# Altium PCB A540R260_Arm600Prototype.PcbDoc (part 1 of 2) (continued)
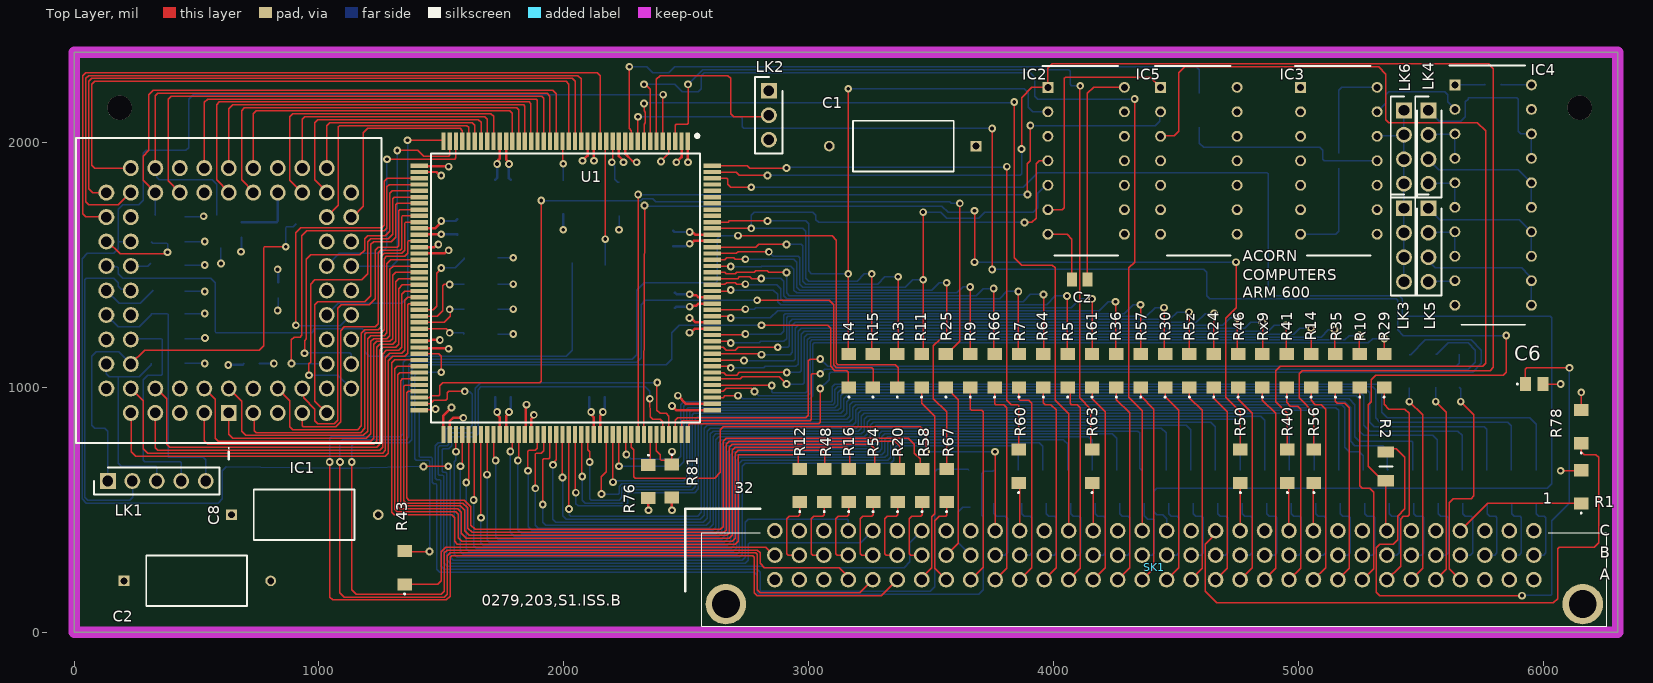
[diagram p0: Top Layer view]
## Footprints (in the part's own frame and the unit in brackets; to place one, negate y for a bottom-side part, rotate by r counter-clockwise, add the part's x,y. Pads: shape width x height; smd on the part's side, far side on the other; paste and mask are expansions set on the pad) (continued)
  silkscreen extent -15.83,-28.53 15.83,3.7, body extent -15.83,-28.53 15.83,3.13, height 8
QFP65P3120X3120X385-160N [mm]
  rect 1.8x0.45 smd: 1(-15.2,12.675) 2(-15.2,12.025) 3(-15.2,11.375) 4(-15.2,10.725) 5(-15.2,10.075) 6(-15.2,9.425) 7(-15.2,8.775) 8(-15.2,8.125) 9(-15.2,7.475) 10(-15.2,6.825) 11(-15.2,6.175) 12(-15.2,5.525) 13(-15.2,4.875) 14(-15.2,4.225) 15(-15.2,3.575) 16(-15.2,2.925) 17(-15.2,2.275) 18(-15.2,1.625) 19(-15.2,0.975) 20(-15.2,0.325) 21(-15.2,-0.325) 22(-15.2,-0.975) 23(-15.2,-1.625) 24(-15.2,-2.275) 25(-15.2,-2.925) 26(-15.2,-3.575) 27(-15.2,-4.225) 28(-15.2,-4.875) 29(-15.2,-5.525) 30(-15.2,-6.175) 31(-15.2,-6.825) 32(-15.2,-7.475) 33(-15.2,-8.125) 34(-15.2,-8.775) 35(-15.2,-9.425) 36(-15.2,-10.075) 37(-15.2,-10.725) 38(-15.2,-11.375) 39(-15.2,-12.025) 40(-15.2,-12.675) 81(15.2,-12.675) 82(15.2,-12.025) 83(15.2,-11.375) 84(15.2,-10.725) 85(15.2,-10.075) 86(15.2,-9.425) 87(15.2,-8.775) 88(15.2,-8.125) 89(15.2,-7.475) 90(15.2,-6.825) 91(15.2,-6.175) 92(15.2,-5.525) 93(15.2,-4.875) 94(15.2,-4.225) 95(15.2,-3.575) 96(15.2,-2.925) 97(15.2,-2.275) 98(15.2,-1.625) 99(15.2,-0.975) 100(15.2,-0.325) 101(15.2,0.325) 102(15.2,0.975) 103(15.2,1.625) 104(15.2,2.275) 105(15.2,2.925) 106(15.2,3.575) 107(15.2,4.225) 108(15.2,4.875) 109(15.2,5.525) 110(15.2,6.175) 111(15.2,6.825) 112(15.2,7.475) 113(15.2,8.125) 114(15.2,8.775) 115(15.2,9.425) 116(15.2,10.075) 117(15.2,10.725) 118(15.2,11.375) 119(15.2,12.025) 120(15.2,12.675)
  rect 0.45x1.8 smd: 41(-12.675,-15.2) 42(-12.025,-15.2) 43(-11.375,-15.2) 44(-10.725,-15.2) 45(-10.075,-15.2) 46(-9.425,-15.2) 47(-8.775,-15.2) 48(-8.125,-15.2) 49(-7.475,-15.2) 50(-6.825,-15.2) 51(-6.175,-15.2) 52(-5.525,-15.2) 53(-4.875,-15.2) 54(-4.225,-15.2) 55(-3.575,-15.2) 56(-2.925,-15.2) 57(-2.275,-15.2) 58(-1.625,-15.2) 59(-0.975,-15.2) 60(-0.325,-15.2) 61(0.325,-15.2) 62(0.975,-15.2) 63(1.625,-15.2) 64(2.275,-15.2) 65(2.925,-15.2) 66(3.575,-15.2) 67(4.225,-15.2) 68(4.875,-15.2) 69(5.525,-15.2) 70(6.175,-15.2) 71(6.825,-15.2) 72(7.475,-15.2) 73(8.125,-15.2) 74(8.775,-15.2) 75(9.425,-15.2) 76(10.075,-15.2) 77(10.725,-15.2) 78(11.375,-15.2) 79(12.025,-15.2) 80(12.675,-15.2) 121(12.675,15.2) 122(12.025,15.2) 123(11.375,15.2) 124(10.725,15.2) 125(10.075,15.2) 126(9.425,15.2) 127(8.775,15.2) 128(8.125,15.2) 129(7.475,15.2) 130(6.825,15.2) 131(6.175,15.2) 132(5.525,15.2) 133(4.875,15.2) 134(4.225,15.2) 135(3.575,15.2) 136(2.925,15.2) 137(2.275,15.2) 138(1.625,15.2) 139(0.975,15.2) 140(0.325,15.2) 141(-0.325,15.2) 142(-0.975,15.2) 143(-1.625,15.2) 144(-2.275,15.2) 145(-2.925,15.2) 146(-3.575,15.2) 147(-4.225,15.2) 148(-4.875,15.2) 149(-5.525,15.2) 150(-6.175,15.2) 151(-6.825,15.2) 152(-7.475,15.2) 153(-8.125,15.2) 154(-8.775,15.2) 155(-9.425,15.2) 156(-10.075,15.2) 157(-10.725,15.2) 158(-11.375,15.2) 159(-12.025,15.2) 160(-12.675,15.2)
  silkscreen extent -15.94,-13.95 13.95,13.95, body extent -15.6,-15.6 15.6,15.6, height 3.85
RESC3216X70N [mm]
  rect 1.15x1.7 smd: 1(-1.5,0) 2(1.5,0)
  silkscreen extent 0,-0.67 0,0.67, body extent -1.6,-0.8 1.6,0.8, height 0.6

## Part data
C1 C2 C8: library part 226TTA035MSD, "Capacitor Polarised", Manufacturer_Name="Cornell Dubilier", Mouser Part Number=598-226TTA035MSD, Datasheet Link=https://www.cde.com/resources/catalogs/TTA.pdf, Manufacturer_Part_Number=226TTA035MSD, Mouser Price/Stock=https://www.mouser.co.uk/ProductDetail/Cornell-Dubilier-CDE/226TTA035MSD?qs=BLH6sjKQk%252BnmuwhdB%252B0F9g%3D%3D
C3 C4 C5 C7 C10 C11 C13 C14 C15 C16 C_FPA Cz: library part C0805C104J4JACAUTO, "Capacitor", Manufacturer_Name=KEMET, Mouser Part Number=80-C0805C104J4JAUTO, Arrow Part Number=C0805C104J4JACAUTO, Arrow Price/Stock=https://www.arrow.com/en/products/c0805c104j4jacauto/kemet-corporation?region=nac, Datasheet Link=https://content.kemet.com/datasheets/KEM_C1091_C0G_ESD.pdf, Height=1.4mm, Manufacturer_Part_Number=C0805C104J4JACAUTO, Mouser Price/Stock=https://www.mouser.co.uk/ProductDetail/KEMET/C0805C104J4JACAUTO?qs=MyNHzdoqoQKNICuQqAIXfA%3D%3D
C6: library part C0805X220K3GACTU, "Capacitor", Manufacturer_Name=KEMET, Datasheet Link=https://content.kemet.com/datasheets/KEM_C1062_C0G_FT-CAP_SMD.pdf, Height=1.1mm, Manufacturer_Part_Number=C0805X220K3GACTU
IC1: library part FPA_SKT_THT, Arrow Part Number=8468-21B1-RK-TR, Manufacturer_Name=3M, Mouser Part Number=517-8468-21B1-RK-TR, Arrow Price/Stock=https://www.arrow.com/en/products/8468-21b1-rk-tr/3m, Datasheet Link=https://www.arrow.com/en/products/8468-21b1-rk-tr/3m, Height=4.6mm, Manufacturer_Part_Number=8468-21B1-RK-TR, Mouser Price/Stock=https://www.mouser.co.uk/ProductDetail/3M-Electronic-Solutions-Division/8468-21B1-RK-TR?qs=X%2F%2F06fXhnJ18zOj3KK47CQ%3D%3D
IC2: "Integrated Circuit", Manufacturer_Name="Texas Instruments", Mouser Part Number=595-SN74HC20N, Arrow Part Number=SN74HC20N, Arrow Price/Stock=https://www.arrow.com/en/products/sn74hc20n/texas-instruments, Datasheet Link=http://www.ti.com/lit/gpn/sn74hc20, Height=5.08mm, Manufacturer_Part_Number=SN74HC20N, Mouser Price/Stock=https://www.mouser.co.uk/ProductDetail/Texas-Instruments/SN74HC20N?qs=pt%2FIv5r0EPf8TTavFR1q%252Bw%3D%3D
IC3 IC4 IC5: "Integrated Circuit", Manufacturer_Name="Texas Instruments", Height=5.08mm
  IC3: Datasheet Link=https://www.ti.com/lit/ds/symlink/sn74ac86.pdf?HQS=dis-dk-null-digikeymode-dsf-pf-null-wwe&ts=1642844260121&ref_url=https%253A%252F%252Fwww.ti.com%252Fgeneral%252Fdocs%252Fsuppproductinfo.tsp%253FdistId%253D10%2526gotoUrl%253Dhttps%253A%252F%252Fwww.ti.co, Manufacturer_Part_Number=SN74AC86NE4
  IC4: Arrow Part Number=SN74AC241NE4, Arrow Price/Stock=https://www.arrow.com/en/products/sn74ac241ne4/texas-instruments, Datasheet Link=https://www.ti.com/lit/ds/scas513e/scas513e.pdf, Manufacturer_Part_Number=SN74AC241NE4
  IC5: Datasheet Link=https://www.ti.com/lit/ds/symlink/sn74act08.pdf?HQS=dis-mous-null-mousermode-dsf-pf-null-wwe&ts=1653633689080&ref_url=https%253A%252F%252Fwww.mouser.in%252F, Manufacturer_Part_Number=SN74ACT08N-NG
LK1 LK2 LK3 LK4 LK5 LK6: "Connector", Manufacturer_Name=Sullins
  LK1: Datasheet Link=https://media.digikey.com/PDF/Data%20Sheets/Sullins%20PDFs/z%20RzCzzzSzzN-RC,%20ST,11635-B.pdf, Height=8.64mm, Manufacturer_Part_Number=PREC005SAAN-RC
  LK2: Datasheet Link=https://media.digikey.com/PDF/Data%20Sheets/Sullins%20PDFs/z%20RzCzzzSzzN-RC,%20ST,11635-B.pdf, Height=8.68mm, Manufacturer_Part_Number=PREC003SAAN-RC
  LK3 LK4 LK5 LK6: Datasheet Link=https://drawings-pdf.s3.amazonaws.com/11635.pdf, Height=8.54mm, Manufacturer_Part_Number=PREC004SAAN-RC
R1 R45 R68 R69 R76 R78 R81 R83 R84 RFyy RFzz: library part ERJ-UP8D1002V, "Resistor", Manufacturer_Name=Panasonic, Datasheet Link=https://industrial.panasonic.com/cdbs/www-data/pdf/RDP0000/AOA0000C337.pdf, Height=0.7mm, Manufacturer_Part_Number=ERJ-UP8D1002V
R2: library part ERA-8AEB101V, "Resistor", Manufacturer_Name=Panasonic, Mouser Part Number=667-ERA-8AEB101V, Arrow Part Number=ERA-8AEB101V, Arrow Price/Stock=https://www.arrow.com/en/products/era8aeb101v/panasonic?region=europe, Datasheet Link=https://industrial.panasonic.com/cdbs/www-data/pdf/RDM0000/AOA0000C307.pdf, Height=0.7mm, Manufacturer_Part_Number=ERA-8AEB101V, Mouser Price/Stock=https://www.mouser.co.uk/ProductDetail/Panasonic/ERA-8AEB101V?qs=Ojoo2rCVP9RpW8HgSjFLGA%3D%3D
R3 R4 R5 R5z R7 R8 R9 R10 R11 R12 R13 R14 R15 R16 R17 R18 R20 R21 R22 R23 R24 R25 R26 R27 R28 R29 R30 R31 R32 R33 R34 R35 R36 R37 R38 R39 R40 R41 R42 R43 R44 R46 R47 R48 R49 R50 R52 R53 R54 R55 R56 R57 R58 R59 R60 R61 R62 R63 R64 R65 R66 R67 R82 R_A0 Rx9: library part ERJ-UP8D22R0V, "Resistor", Manufacturer_Name=Panasonic, Datasheet Link=https://industrial.panasonic.com/cdbs/www-data/pdf/RDP0000/AOA0000C337.pdf, Height=0.7mm, Manufacturer_Part_Number=ERJ-UP8D22R0V
R7z R73 R74 R75 R77 R79 R85 RFxx: library part ERJ-8ENF4701V, "Resistor", Manufacturer_Name=Panasonic, Mouser Part Number=667-ERJ-8ENF4701V, Arrow Part Number=ERJ-8ENF4701V, Arrow Price/Stock=https://www.arrow.com/en/products/erj-8enf4701v/panasonic, Datasheet Link=https://industrial.panasonic.com/cdbs/www-data/pdf/RDA0000/AOA0000C86.pdf, Height=0.7mm, Manufacturer_Part_Number=ERJ-8ENF4701V, Mouser Price/Stock=https://www.mouser.co.uk/ProductDetail/Panasonic/ERJ-8ENF4701V?qs=8%252BG0TiN%2FgVpQwzrqnqT%252BJA%3D%3D
SK1: library part 5650461-4, "Connector", Manufacturer_Name="TE Connectivity", Mouser Part Number=571-5650461-4, Arrow Part Number=5650461-4, Arrow Price/Stock=https://www.arrow.com/en/products/5650461-4/te-connectivity, Datasheet Link=https://componentsearchengine.com/Datasheets/2/5650461-4.pdf, Height=10.49mm, Manufacturer_Part_Number=5650461-4, Mouser Price/Stock=https://www.mouser.co.uk/ProductDetail/TE-Connectivity/5650461-4?qs=xrnNvQC1SKQ%2FjdFwmiH0Uw%3D%3D
U1: "Arm600 - VY06192 / VY86C600"

## Free pads (board coordinates)
  round 100 hole 100 unplated paste+40: O(186,2142) O(6150,2142)

## Via types
v1: diameter 31.5, hole 15.75, Top Layer to Bottom Layer, 195 vias

## Nets (pads, with @x,y where several pads share a name; then routed paths per layer and width w, separated by ;. In a path a pad name is that pad's centre, name@x,y a point inside that pad or via, vN(x,y) a via of type N, cw(c..) or ccw(c..) an arc to the next point about the centre after c; other vN are vias at no path point)
A0: R_A0.2 U1.118 | length 3548.9
  Top Layer w6: U1.118@2455.63,808.15 2455.63,865.63 2466.52,876.52 2988.52,876.52 2999.25,887.25 2999.25,1109.25 3006,1116 v1(3048,1116)
  Bottom Layer w6: v1(3048,1116) 3078,1086 5646,1086 5658,1098 R_A0.2@5658,1135.91
A1: R65.2 U1.119 | length 3744.7
  Top Layer w6: U1.119@2481.22,808.15 2481.22,861.01 2484.74,864.52 3006.52,864.52 3011.25,869.25 3011.25,1051.74 3014.77,1055.25 3047.25,1055.25 v1(3048,1056)
  Bottom Layer w6: v1(3048,1056) 3066,1074 5499.8,1074 5694,1074 5724,1104 5724,1152 5694,1182 5613.01,1182 5566.92,1135.91 R65.2@5562,1135.91
A2: R8.2 U1.120 | length 3867.3
  Top Layer w6: U1.120@2506.81,808.15 2511.49,812.83 2511.49,848.49 2515.01,852 3042,852 3048,858 v1(3048,996)
  Bottom Layer w6: v1(3048,996) 3084,1032 3084,1056 3090,1062 5712,1062 5748,1098 5748,1152 5706,1194 5518.92,1194 5458.92,1134 R8.2@5454,1134
A3: R29.2 U1.123 | length 3043.8
  Top Layer w6: U1.123@2606.22,958.74 2650.74,958.74 2658,966 2711.25,966 v1(2712,966.75) ; R29.2@5351,1135.91 5352,1136.91 v1(5352,1200)
  Bottom Layer w6: v1(2712,966.75) 2718.9,966.75 2731.65,954 3006,954 3018,966 3018,1176 3024,1182 5286,1182 5304,1200 v1(5352,1200)
A4: R10.2 U1.124 | length 2962.3
  Top Layer w6: U1.124@2606.22,984.33 2652.33,984.33 2664,996 2766,996 v1@2778,984 ; v1(5250,1212) 5250,1137.48 R10.2@5251.57,1135.91
  Bottom Layer w6: v1(2778.95,983.19) 2779.57,983.19 2796.76,966 2996.49,966 3006,975.51 3006,1186.97 3013.03,1194 5190,1194 5208,1212 v1(5250,1212)
A5: R35.2 U1.125 | length 2901.7
  Top Layer w6: U1.125@2606.22,1009.92 2607.18,1008.96 2849.04,1008.96 v1(2850,1008) ; v1(5148.36,1235.61) 5148.36,1139.69 R35.2@5152.14,1135.91
  Bottom Layer w6: v1(2850,1008) 2850,981.51 2853.51,978 2988,978 2994,984 2994,1194 3006,1206 5093.25,1206 5123.25,1236 v1@5148,1236
A6: R14.2 U1.126 | length 2771
  Top Layer w6: U1.126@2606.22,1035.51 2721.51,1035.51 2730,1044 2880,1044 v1(2910,1014) ; v1(5052.36,1241.61) 5052.36,1136.26 R14.2@5052.71,1135.91
  Bottom Layer w6: v1(2910,1014) 2976,1014 2982,1020 2982,1206 2994,1218 4982.57,1218 5006.57,1242 v1@5052,1242
A7: R41.2 U1.127 | length 2639
  Top Layer w6: U1.127@2606.22,1061.1 2652.9,1061.1 2664,1050 2706,1050 2718,1062 v1@2910,1062 ; v1(4950.36,1253.61) 4950.36,1138.84 R41.2@4953.28,1135.91
  Bottom Layer w6: v1(2910.95,1061.19) 2963.19,1061.19 2970,1068 2970,1218 2982,1230 4878,1230 4902,1254 v1@4950,1254
A8: Rx9.2 U1.128 | length 2536.3
  Top Layer w6: U1.128@2606.22,1086.69 2668.41,1086.69 2675.1,1080 v1(2682,1080) ; Rx9.2@4853.86,1135.91 4854.36,1136.42 v1(4854.36,1265.61)
  Bottom Layer w6: v1(2682,1080) 2817.45,1080 2823.45,1086 2948.49,1086 2958,1095.51 2958,1230 2970,1242 4782,1242 4806,1266 v1@4854,1266
A9: R46.2 U1.129 | length 2442.3
  Top Layer w6: U1.129@2606.22,1112.28 2607.36,1111.14 2734.86,1111.14 v1(2736,1110) ; v1(4752,1284) 4752,1138.34 R46.2@4754.43,1135.91
  Bottom Layer w6: v1(2736,1110) 2782.64,1110 2783.39,1109.25 2939.25,1109.25 2946,1116 2946,1242 2958,1254 4692,1254 4722,1284 v1(4752,1284)
A10: R24.2 U1.130 | length 2352.2
  Top Layer w6: U1.130@2606.22,1137.87 2804.13,1137.87 v1(2808,1134) ; R24.2@4655,1135.91 4656,1136.91 v1(4656,1302)
  Bottom Layer w6: v1(2808,1134) 2924.49,1134 2934,1143.51 2934,1254 2946,1266 4584,1266 4620,1302 v1(4656,1302)
A11: R5z.2 U1.131 | length 2245.6
  Top Layer w6: U1.131@2606.22,1163.46 2652.54,1163.46 2664,1152 2700,1152 2712,1164 v1(2874,1164) ; v1(4554.36,1307.61) 4554.36,1137.12 R5z.2@4555.57,1135.91
  Bottom Layer w6: v1(2874,1164) 2916,1164 2922,1170 2922,1266 2934,1278 4476,1278 4506,1308 v1@4554,1308
A12: R30.2 U1.132 | length 2149
  Top Layer w6: U1.132@2606.49,1188.78 2668.32,1188.78 2675.1,1182 v1(2682,1182) ; v1(4452,1326) 4452,1140.06 R30.2@4456.14,1135.91
  Bottom Layer w6: v1(2682,1182) 2798.7,1182 2805.45,1188.75 2898.75,1188.75 2910,1200 2910,1284 2916,1290 4380,1290 4416,1326 v1(4452,1326)
A13: R57.2 U1.133 | length 2041.9
  Top Layer w6: U1.133@2606.22,1214.65 2607.9,1216.32 2740.32,1216.32 v1(2742,1218) ; v1(4356,1338) 4356,1136.63 R57.2@4356.71,1135.91
  Bottom Layer w6: v1(2742,1218) 2886,1218 2898,1230 2898,1296 2904,1302 4290,1302 4326,1338 v1(4356,1338)
A14: R36.2 U1.136 | length 1893.6
  Top Layer w6: U1.136@2606.22,1291.42 2606.65,1290.99 2668.11,1290.99 2675.1,1284 v1(2682,1284) ; v1(4254,1350) 4254,1139.2 R36.2@4257.28,1135.91
  Bottom Layer w6: v1(2682,1284) 2843.6,1284 2873.6,1314 4188,1314 4224,1350 v1(4254,1350)
A15: R61.2 U1.137 | length 1796.6
  Top Layer w6: U1.137@2606.22,1317.01 2739.01,1317.01 v1(2742,1320) ; R61.2@4157.86,1135.91 4158,1136.06 v1(4158,1362)
  Bottom Layer w6: v1(2742,1320) 2778,1320 2784,1326 4074,1326 4110,1362 v1(4158,1362)
A16: R5.2 U1.140 | length 1748
  Top Layer w6: U1.140@2606.22,1393.78 2677.78,1393.78 v1(2682,1398) ; v1(4056,1374) 4056,1138.34 R5.2@4058.43,1135.91
  Bottom Layer w6: v1(2682,1398) 2682.75,1397.25 2856.75,1397.25 2874,1380 2874,1350 2886,1338 3972,1338 4008,1374 v1(4056,1374)
A17: R64.2 U1.141 | length 1672.3
  Top Layer w6: U1.141@2606.22,1419.37 2607.54,1420.68 2658,1420.68 2665.32,1428 2700,1428 2707.32,1420.68 2740.68,1420.68 v1(2742,1422) ; R64.2@3959,1135.91 3960,1136.91 v1(3960,1380)
  Bottom Layer w6: v1(2742,1422) 2743.91,1420.09 2869.91,1420.09 2886,1404 2886,1362 2898,1350 3876,1350 3906,1380 v1(3960,1380)
A18: R7.2 U1.142 | length 1597.9
  Top Layer w6: U1.142@2606.22,1444.96 2710.96,1444.96 2718,1452 2760,1452 2767.04,1444.96 v1@2806.96,1444.96 ; v1(3856.91,1391.92) 3856.91,1138.58 R7.2@3859.57,1135.91
  Bottom Layer w6: v1(2806.61,1444.84) 2807.77,1446 2886,1446 2898,1434 2898,1374 2910,1362 3780,1362 3810,1392 v1@3858,1392
A19: R66.2 U1.143 | length 1531.1
  Top Layer w6: U1.143@2606.22,1470.55 2657.45,1470.55 2664,1464 2700,1464 2706,1470 2778,1470 2784,1476 2832,1476 2838,1470 v1(2910,1470) ; v1(3756,1404) 3756,1140.06 R66.2@3760.14,1135.91
  Bottom Layer w6: v1(2910,1470) 2910,1386 2922,1374 3684,1374 3714,1404 v1(3756,1404)
A20: R9.2 U1.144 | length 1435.4
  Top Layer w6: U1.144@2606.22,1496.14 2679.86,1496.14 v1(2682,1494) ; v1(3660,1410) 3660,1136.63 R9.2@3660.71,1135.91
  Bottom Layer w6: v1(2682,1494) 2807.14,1494 2807.89,1494.75 2927.25,1494.75 2940,1482 2940,1398 2952,1386 3606,1386 3632.25,1412.25 3657.75,1412.25 v1(3660,1410)
A21: R67.2 U1.145 | length 1904.9
  Top Layer w6: U1.145@2606.22,1521.73 2658,1521.73 2666.27,1530 2694,1530 2700,1524 v1(2742,1524) ; R67.2@3564,667.91 3564,900 3510,954 3510,1170 3540,1200 3560.49,1200 3564,1203.51 v1(3564,1428)
  Bottom Layer w6: v1(2742,1524) 2940,1524 2952,1512 2952,1410 2964,1398 3504,1398 3534,1428 v1(3564,1428)
A22: IC2.5 R11.2 U1.146 | length 2192.8
  Top Layer w6: U1.146@2606.22,1547.32 2705.32,1547.32 2712,1554 v1(2838,1554) ; R11.2@3461.86,1135.91 3468,1142.06 v1(3468,1440) v1(3468,1716)
  Bottom Layer w6: v1(2838,1554) 2856,1536 2958,1536 2964,1530 2964,1422 2976,1410 3396,1410 3426,1440 v1(3468,1440) ; v1(3468,1716) 3540,1716 3564,1692 3696,1692 3720,1716 3918,1716 3936,1734 3936,1794 3968,1826 IC2.5@3977.7,1826
A23: R3.2 U1.147 | length 1245.8
  Top Layer w6: U1.147@2606.22,1572.91 2784.91,1572.91 2796,1584 v1(2910,1584) ; R3.2@3362.43,1135.91 3366,1139.48 v1(3366,1452)
  Bottom Layer w6: v1(2910,1584) 2970,1584 2976,1578 2976,1434 2988,1422 3282,1422 3312,1452 v1(3366,1452)
A24: IC2.4 R15.2 U1.150 | length 2729.5
  Top Layer w6: U1.150@2606.22,1649.68 2606.38,1649.84 2765.84,1649.84 v1(2766,1650) ; v1(3258,1464) 3259,1463 3259,1139.91 R15.2@3263,1135.91 ; v1(3882,1674) 3912,1674 3930,1692 3930,1914 3942,1926 IC2.4@3977.7,1926
  Bottom Layer w6: v1(3258,1464) 3228,1464 3198,1434 3000,1434 2988,1446 2988,1638 2976,1650 v1(2766,1650) 2766,1704 2778,1716 3018,1716 3030,1704 3030,1686 3042,1674 v1(3882,1674)
A25: IC2.2 R4.2 U1.151 | length 2734.8
  Top Layer w6: U1.151@2606.22,1675.28 2671.28,1675.28 2676,1680 v1(2832,1680) ; v1(3162,2220) 3162,1138.91 R4.2@3165,1135.91
  Bottom Layer w6: v1(2832,1680) 2988,1680 3000,1668 3000,1476 3012,1464 v1(3162,1464) ; v1(3162,2220) 3882,2220 3898,2204 3898,2144 3916,2126 IC2.2@3977.7,2126
ABE: SK1.C16 U1.158 | length 6561
  Top Layer w6: U1.158@2606.22,1854.41 2666.49,1854.41 2670,1850.89 2670,1830 2682,1818 v1(2766,1818)
  Bottom Layer w6: v1(2766,1818) 3876,1818 3936,1878 4872,1878 4878,1872 4878,1386 4890,1374 5412,1374 5424,1362 5424,1302 5436,1290 6030,1290 6036,1284 6036,606 6018,588 4422,588 4410,576 4410,492 4422,480 4446,480 4462.4,463.6 SK1.C16@4462.4,415
Abort: SK1.C20 U1.8 | length 3591.1
  Top Layer w6: U1.8@2328,2005.32 2328,2076 2334,2082 2334,2124 2328,2130 v1(2328,2160) ; v1(3840,2166) 3840,1530 3870,1500 3996,1500 4008,1488 4008,948 4062.4,893.6 SK1.C20@4062.4,415
  Bottom Layer w6: v1(2328,2160) 2331,2163 3837,2163 v1(3840,2166)
CBE: C1.1 C2.1 C3.2 C4.2 C5.2 C7.2 C8.1 C10.2 C11.2 C13.2 C14.2 C15.2 C16.2 C_FPA.2 Cz.2 IC1.5 IC1.14 IC1.18 IC1.22 IC1.31 IC1.38 IC1.56 IC1.66 IC2.14 IC3.14 IC4.19 IC4.20 IC5.14 LK2.1 R1.2 R7z.2 R45.1 R68.1 R73.2 R74.2 R75.2 R76.2 R78.2 R79.2 R81.2 R83.1 R84.2 R85.2 RFxx.2 RFyy.2 RFzz.2 SK1.A2 SK1.A31 SK1.C2 SK1.C8 SK1.C25 SK1.C31 U1.1 U1.4 U1.12 U1.16 U1.30 U1.41 U1.52 U1.55 U1.69 U1.81 U1.90 U1.94 U1.106 U1.121 U1.135 U1.139 U1.148 | length 5025.6
  Top Layer w6: U1.16@2122.95,2005 U1.16@2123.48,2004.48 ; v1@2123.48,1926.52 v1(2124,1926) ; v1(2397,1923) 2430.04,1956.04 U1.4@2430.04,2005 ; Cz.2@4138.88,1440.41 4138.88,2200.88 4164,2226 IC2.14@4290.3,2226 ; v1(6072,660) 6154.09,660 R1.2@6156,661.91 ; R78.2@6156,907.91 v1(6156,979.91)
  Top Layer w10: U1.69@1409.37,1189.06 1410.26,1189.95 1453.95,1189.95 1458.25,1194.25 1493.75,1194.25 v1(1494,1194) ; U1.55@1409.37,1547.32 1513.39,1547.32 1526.07,1560 v1(1530,1560) ; U1.52@1409.37,1624.09 1410.32,1625.05 1499.05,1625.05 v1(1500,1626) ; U1.41@1409.37,1905.59 1411.17,1903.8 1528.2,1903.8 v1(1530,1902) ; U1.81@1508.78,808.15 1508.78,884.78 v1(1542,918) ; v1(1728.14,900) 1732.25,895.89 1732.25,884.64 1739.09,877.8 U1.90@1739.09,808.15 ; U1.30@1764.69,2005 1764.69,1930.42 1776.14,1918.97 v1(1776.14,1913.15) ; U1.94@1841.46,808.15 1844.73,811.42 1844.73,926.73 v1(1848,930) ; v1@2123.48,1926.52 U1.16@2123.48,2004.48 ; U1.106@2148.54,808.15 2148.54,882.73 2160,894.18 v1(2160,900) ; U1.12@2225.32,2005 2225.32,1944.5 2244,1925.82 v1(2244,1920) ; v1(2346,498.75) R76.2@2346,548.17 ; v1(2442,498.75) R81.2@2442,550.09 ; v1(2442.18,924.68) 2459.3,907.56 U1.121@2606.22,907.56 ; U1.1@2506.81,2005 2507.41,2004.41 2507.41,1920.59 v1(2508,1920) ; v1(2514,1284) 2519.82,1284 2537.99,1265.83 U1.135@2606.22,1265.83 ; v1(2514.37,1380.75) 2518.48,1376.64 2541.67,1376.64 2550.12,1368.19 U1.139@2606.22,1368.19 ; v1(2514.37,1587.05) 2520.19,1587.05 2531.64,1598.5 U1.148@2606.22,1598.5
  Bottom Layer w6: R73.2@451.91,1098 v1(534,1098) ; R74.2@451.91,1200 v1@534,1200 ; R75.2@451.91,1302 v1(534,1302) ; R79.2@451.91,1392 v1(534,1392) ; R7z.2@451.91,1500 v1(534,1500) ; RFxx.2@451.91,1596 v1(534,1596) ; RFzz.2@451.91,1698 v1@528,1698 ; v1(600,1506) RFyy.2@600,1570.09 ; C_FPA.2@688.5,1092 C_FPA.2@694.5,1098 ; v1@834,1314 C11.2@834,1366.5 ; R68.1@1729.91,1218 v1(1794,1218) ; R83.1@1729.91,1422 v1(1794,1422) ; R45.1@1729.91,1530 v1(1794,1530) ; v1(2226,1644) R85.2@2226,1702.09 ; C15.2@5166,1957.5 5166,2214 5178,2226 IC3.14@5322.3,2226 ; C10.2@5827.5,2238 C10.2@5829.5,2236 IC4.20@5952.6,2236
  Bottom Layer w10: v1(630,1092) C_FPA.2@688.5,1092 ; v1@684,1554 C14.2@684,1612.5 ; v1(1500,1626) 1564.5,1626 C4.2@1566,1624.5 ; C5.2@1720.5,960 1720.5,913.45 1728.14,905.82 v1(1728.14,900) ; v1(1776.14,1913.15) 1776.14,1855.35 C16.2@1783.5,1848 ; v1(1998,1644) R84.2@1998,1708.09 ; v1(2160,900) 2160,905.82 2167.5,913.31 C3.2@2167.5,960 ; C13.2@2448,1576.5 2498.01,1576.5 2508.55,1587.05 v1(2514.37,1587.05) ; C7.2@2454,1387.5 2460.75,1380.75 v1(2514.37,1380.75)
  other v1: 535.17,1201.64 831.61,1314.48 681.61,1554.48 529.17,1699.64
CP_Dbe: IC1.51 R7z.1 R81.1 U1.115 | length 4964.1
  Top Layer w6: U1.115@2378.86,808.15 2378.86,741.14 2394,726 2394,705.51 2397.51,702 2425.91,702 R81.1@2442,685.91 ; R81.1@2437.59,702 2442,706.41 v1(2442,738)
  5V w6: IC1.51@232,1496 218,1496 192,1470 192,1452 186,1446 60,1446 36,1422 36,84 84,36 2394,36 2412,54 2412,708 v1(2442,738)
  Bottom Layer w6: IC1.51@232,1496 302,1496 R7z.1@313.48,1507.48
CP_Wait: IC1.50 R82.2 | length 2619.7
  Bottom Layer w6: IC1.50@134,1494 174,1494 180,1488 180,1464 198,1446 384,1446 558,1446 576,1428 576,1227.51 579.51,1224 972,1224 978,1230 978,1236 981.91,1239.91 1178.09,1239.91 1188,1230 1188,1146 1206,1128 2010,1128 2034,1152 R82.2@2034,1509.92
  Bottom Layer w10: IC1.50@132,1496 IC1.50@134,1494
CPain: IC1.52 R79.1 | length 235.9
  Bottom Layer w6: IC1.52@132,1396 184,1344 270,1344 R79.1@324,1398
CPaout: IC1.42 RFzz.1 U1.22 | length 2395.5
  Top Layer w6: IC1.42@332,1796 282,1846 282,1944 306,1968 306,2196 324,2214 1956,2214 1969.41,2200.59 U1.22@1969.41,2005
  Bottom Layer w6: RFzz.1@330,1704 332,1706 IC1.42@332,1796
CPbin: IC1.48 RFxx.1 | length 377.1
  Top Layer w6: IC1.48@132,1596 138,1596 188.55,1545.45 368.03,1545.45 374.79,1552.22 v1(381.69,1552.22)
  Bottom Layer w6: RFxx.1@316.09,1596 322.09,1590 378,1590 381.69,1586.31 v1(381.69,1552.22)
CPbout: IC1.41 RFyy.1 U1.23 | length 2524.1
  Top Layer w6: IC1.41@332,1896 332,2192 342,2202 1932,2202 1943.82,2190.18 U1.23@1943.82,2005
  Bottom Layer w6: IC1.41@332,1896 337.97,1890.03 337.97,1858.03 348,1848 564,1848 582,1830 RFyy.1@582,1704
CPclk: IC1.46 U1.15 | length 3057
  Top Layer w6: IC1.46@132,1696 130,1698 48,1698 36,1710 36,2274 48,2286 2136,2286 2148.54,2273.46 U1.15@2148.54,2005
CpD0: IC1.61 U1.63 | length 1936.6
  Top Layer w6: IC1.61@232,896 234,894 234,738 252,720 1236.85,720 1243.88,720 1250.91,720 1257.94,720 1272,720 1284,732 1284,746.06 1284,753.09 1284,760.12 1284,767.15 1284,1110 1302,1128 1350,1128 1362,1140 1362,1337.32 1367.28,1342.6 U1.63@1409.37,1342.6
CpD1: IC1.62 U1.62 | length 2006
  Top Layer w6: IC1.62@232,996 282,946 282,750 300,732 1225.03,732 1231.88,732 1238.91,732 1245.94,732 1260,732 1272,744 1272,758.06 1272,765.09 1272,772.12 1272,778.97 1272,1122 1290,1140 1338,1140 1350,1152 1350,1356 1362.19,1368.19 U1.62@1409.37,1368.19
CpD2: IC1.63 U1.61 | length 1842.1
  Top Layer w6: IC1.63@332,896 332,754 342,744 1213.88,744 1226.91,744 1233.94,744 1248,744 1260,756 1260,770.06 1260,777.09 1260,790.12 1260,1136.49 1275.51,1152 1326,1152 1338,1164 1338,1380 1350,1392 1407.59,1392 U1.61@1409.37,1393.78
CpD3: IC1.64 U1.60 | length 1919
  Top Layer w6: IC1.64@332,996 336,996 378,954 378,768 390,756 1202.49,756 1208.91,756 1221.94,756 1236,756 1248,768 1248,782.06 1248,795.09 1248,801.51 1248,1152 1260,1164 1314,1164 1326,1176 1326,1404 1341.37,1419.37 U1.60@1409.37,1419.37
CpD4: IC1.67 U1.59 | length 1645.4
  Top Layer w6: IC1.67@532,896 532,782 546,768 1191.51,768 1196.91,768 1203.94,768 1224,768 1236,780 1236,800.06 1236,807.09 1236,812.49 1236,1164 1248,1176 1302,1176 1314,1188 1314,1431.92 1327.04,1444.96 U1.59@1409.37,1444.96
CpD5: IC1.68 U1.58 | length 1722.7
  Top Layer w6: IC1.68@532,996 576,952 576,792 588,780 1184.91,780 1191.94,780 1212,780 1224,792 1224,812.06 1224,819.09 1224,1176 1236,1188 1290,1188 1302,1200 1302,1458 1314.55,1470.55 U1.58@1409.37,1470.55
CpD6: IC1.1 U1.57 | length 1543.3
  Top Layer w6: IC1.1@632,896 632,808 648,792 1179.94,792 1194,792 1212,810 1212,824.06 1212,1188 1224,1200 1278,1200 1290,1212 1290,1482 1304.14,1496.14 U1.57@1409.37,1496.14
CpD7: IC1.2 U1.56 | length 1612.3
  Top Layer w6: IC1.2@632,996 684,944 684,822 702,804 1182,804 1200,822 1200,1200 1212,1212 1266,1212 1278,1224 1278,1506 1293.73,1521.73 U1.56@1409.37,1521.73
CpD8: IC1.3 U1.53 | length 1497.1
  Top Layer w6: IC1.3@732,896 736.37,891.63 736.37,823.63 744,816 1170,816 1186.73,832.73 1186.73,1216.73 1194,1224 1254,1224 1266,1236 1266,1526.49 1275.51,1536 1350,1536 1362,1548 1362,1594.99 1365.51,1598.5 U1.53@1409.37,1598.5
CpD9: IC1.6 U1.50 | length 1516.2
  Top Layer w6: IC1.6@832,996 882,946 882,840 894,828 1158,828 1173.48,843.48 1173.48,1113.18 1172.82,1113.85 1172.82,1118.82 1173.48,1119.48 1173.48,1220.45 1176,1222.97 1176,1224 1188,1236 1242,1236 1254,1248 1254,1536 1266,1548 1338,1548 1350,1560 1350,1671.76 1353.51,1675.28 U1.50@1409.37,1675.28
CpD10: IC1.7 U1.49 | length 1352.9
  Top Layer w6: IC1.7@932,896 932,843.51 935.51,840 1068,840 1088.67,860.67 1088.67,1232.67 1104,1248 1230,1248 1242,1260 1242,1540.97 1242.44,1541.41 1242.44,1550.92 1248,1556.49 1251.51,1560 1332,1560 1338,1566 1338,1697.35 1341.51,1700.87 U1.49@1409.37,1700.87
CpD11: IC1.8 U1.48 | length 1413.5
  Top Layer w6: IC1.8@932,996 937.97,990.03 937.97,958.03 984,912 984,864 996,852 1062,852 1076.67,866.67 1076.67,1322.67 1092,1338 1206,1338 1230,1362 1230,1560 1242,1572 1320,1572 1326,1578 1326,1722 1330.46,1726.46 U1.48@1409.37,1726.46
CpD12: IC1.9 U1.47 | length 1258.8
  Top Layer w6: IC1.9@1031.86,896.14 984,944 984,1338 996,1350 1187.92,1350 1212,1374.08 1212,1584 1224,1596 1296,1596 1314,1614 1314,1746 1320.05,1752.05 U1.47@1409.37,1752.05
CpD13: IC1.10 U1.46 | length 1322.3
  Top Layer w6: v1(959.25,1050) 959.25,1097.25 966,1104 966,1422 984,1440 1176,1440 1200,1464 1200,1596 1212,1608 1284,1608 1302,1626 1302,1770 1308,1776 1407.73,1776 U1.46@1409.37,1777.64
  Bottom Layer w6: v1(959.25,1050) 1078,1050 IC1.10@1132,996
CpD14: IC1.12 U1.45 | length 1315.7
  Top Layer w6: v1(941.25,1140) 941.25,1191.8 948,1198.54 948,1524 966,1542 1167.39,1542 1186.84,1561.45 1186.84,1606.84 1200,1620 1272,1620 1290,1638 1290,1794 1299.23,1803.23 U1.45@1409.37,1803.23
  Bottom Layer w6: v1(941.25,1140) 943.1,1141.85 1126.15,1141.85 1132,1136 IC1.12@1132,1096
CpD15: IC1.13 U1.44 | length 1363.3
  Top Layer w6: v1(888,1098) 888,1194 900,1206 924,1206 928.24,1210.24 930,1212 930.74,1247.48 ccw(c906,1248) 930.75,1248.05 930,1615.03 930,1620 931.76,1621.76 949.45,1639.45 1267.45,1639.45 1278,1650 1278,1819.3 1287.51,1828.82 U1.44@1409.37,1828.82
  Bottom Layer w6: v1(888,1098) 889,1097 1031,1097 IC1.13@1032,1096
CpD16: IC1.16 U1.43 | length 1324.1
  Top Layer w6: v1(905.99,1254) 905.99,1631.99 925.91,1651.91 1255.91,1651.91 1266,1662 1266,1842 1278.41,1854.41 U1.43@1409.37,1854.41
  Bottom Layer w6: v1(905.99,1254) 908.07,1251.91 1087.91,1251.91 IC1.16@1132,1296
CpD17: IC1.17 U1.40 | length 1150.7
  Top Layer w6: v1(1362,2010) 1503.78,2010 U1.40@1508.78,2005
  Bottom Layer w6: IC1.17@1032,1296 1080,1344 1338,1344 1362,1368 v1(1362,2010)
CpD18: IC1.20 U1.39 | length 930.4
  Top Layer w6: v1(1320,1968) 1404,1968 1428,1944 1530.86,1944 1534.37,1947.51 U1.39@1534.37,2005
  Bottom Layer w6: IC1.20@1132,1496 1298,1496 1320,1518 v1(1320,1968)
CpD19: IC1.21 U1.38 | length 988.9
  Top Layer w6: v1(1278,1932) 1554,1932 1559.96,1937.96 U1.38@1559.96,2005
  Bottom Layer w6: IC1.21@1032,1496 1084,1548 1254,1548 1278,1572 v1(1278,1932)
CpD20: IC1.24 U1.37 | length 827.2
  Top Layer w6: IC1.24@1132,1696 1138,1696 1182,1740 1182,2040 1200,2058 1576.98,2058 1585.55,2049.43 U1.37@1585.55,2005
CpD21: IC1.25 U1.36 | length 982.3
  Top Layer w6: IC1.25@1032,1696 1080,1744 1080,2064 1086,2070 1604.01,2070 1611.14,2062.87 U1.36@1611.14,2005
CpD22: IC1.27 U1.35 | length 854.5
  Top Layer w6: IC1.27@1032,1896 1032,2070 1044,2082 1626.22,2082 1636.73,2071.49 U1.35@1636.73,2005
CpD23: IC1.28 U1.34 | length 1072
  Top Layer w6: IC1.28@1032,1796 1032,1800 984,1848 984,2082 996,2094 1651.81,2094 1662.32,2083.49 U1.34@1662.32,2005
CpD24: IC1.29 U1.33 | length 1054.9
  Top Layer w6: IC1.29@932,1896 932,2096 942,2106 1677.4,2106 1687.91,2095.49 U1.33@1687.91,2005
CpD25: IC1.30 U1.32 | length 1274
  Top Layer w6: IC1.30@932,1796 882,1846 882,2106 894,2118 1702.99,2118 1713.5,2107.49 U1.32@1713.5,2005
CpD26: IC1.33 U1.29 | length 1404.1
  Top Layer w6: IC1.33@732,1896 732,2118 744,2130 1779.76,2130 1790.28,2119.49 U1.29@1790.28,2005
CpD27: IC1.34 U1.28 | length 1623.1
  Top Layer w6: IC1.34@732,1796 732,1800 684,1848 684,2130 696,2142 1808,2142 1815.87,2134.13 U1.28@1815.87,2005
CpD28: IC1.35 U1.27 | length 1603.9
  Top Layer w6: IC1.35@632,1896 632,2138 648,2154 1836,2154 1841.46,2148.54 U1.27@1841.46,2005
CpD29: IC1.36 U1.26 | length 1825
  Top Layer w6: IC1.36@632,1796 632,1798 582,1848 582,2154 594,2166 1859,2166 1865.32,2159.68 1865.32,2006.73 U1.26@1867.05,2005